# Altium PCB PCB1.PcbDoc
Units mil, origin at the board's own origin, x right, y up, seen from the top; angles counter-clockwise.
Board outline 3970 x 4000 mil, 2 copper layers (Top Layer, Bottom Layer); 10 components, 17 nets, 51 pads, 0 vias.
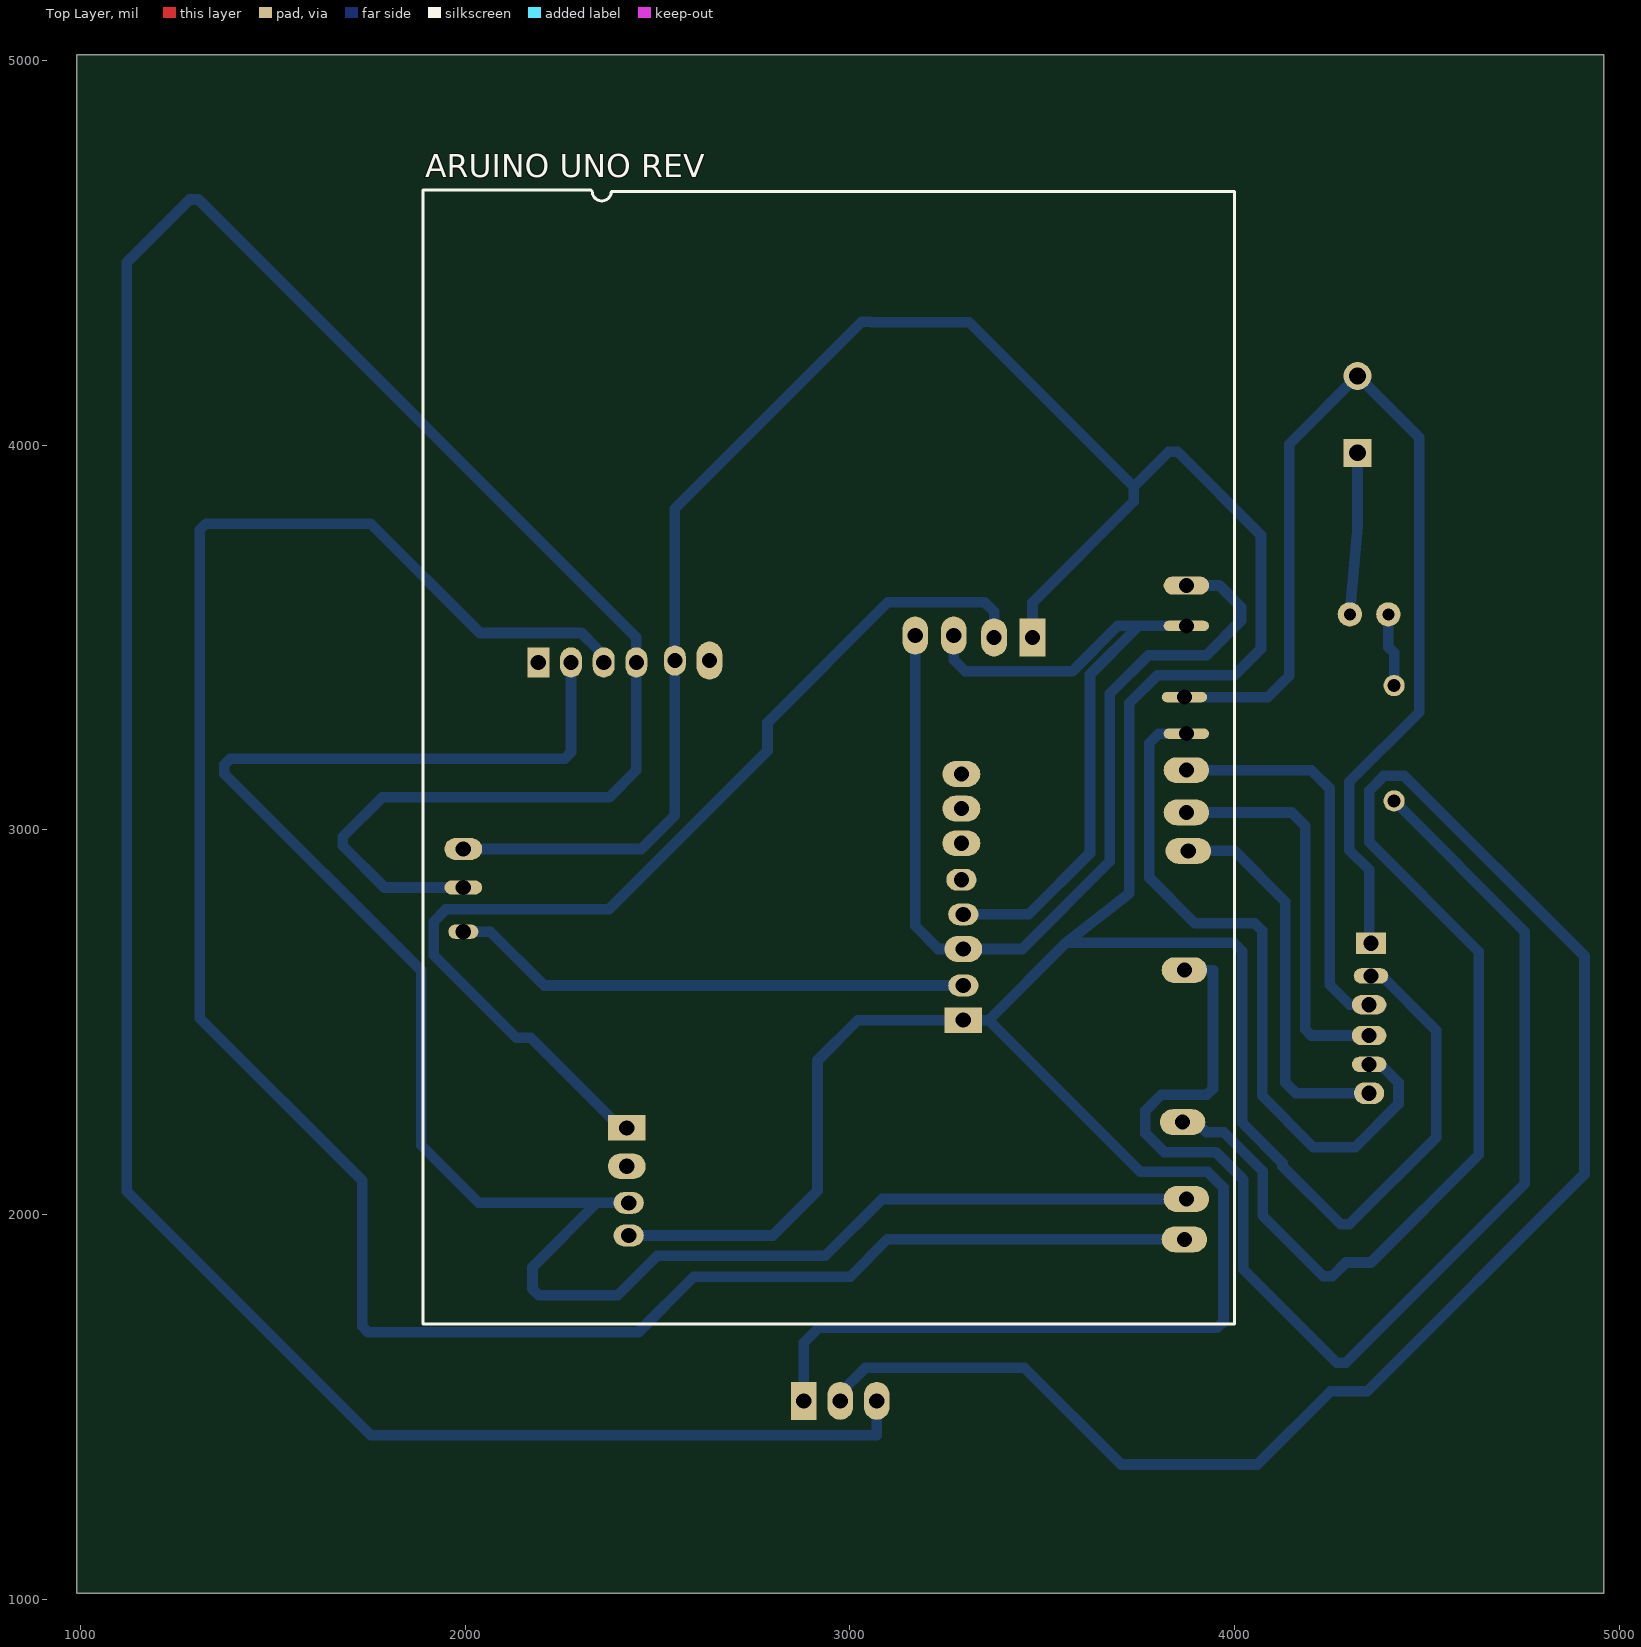
[diagram p0: Top Layer view]
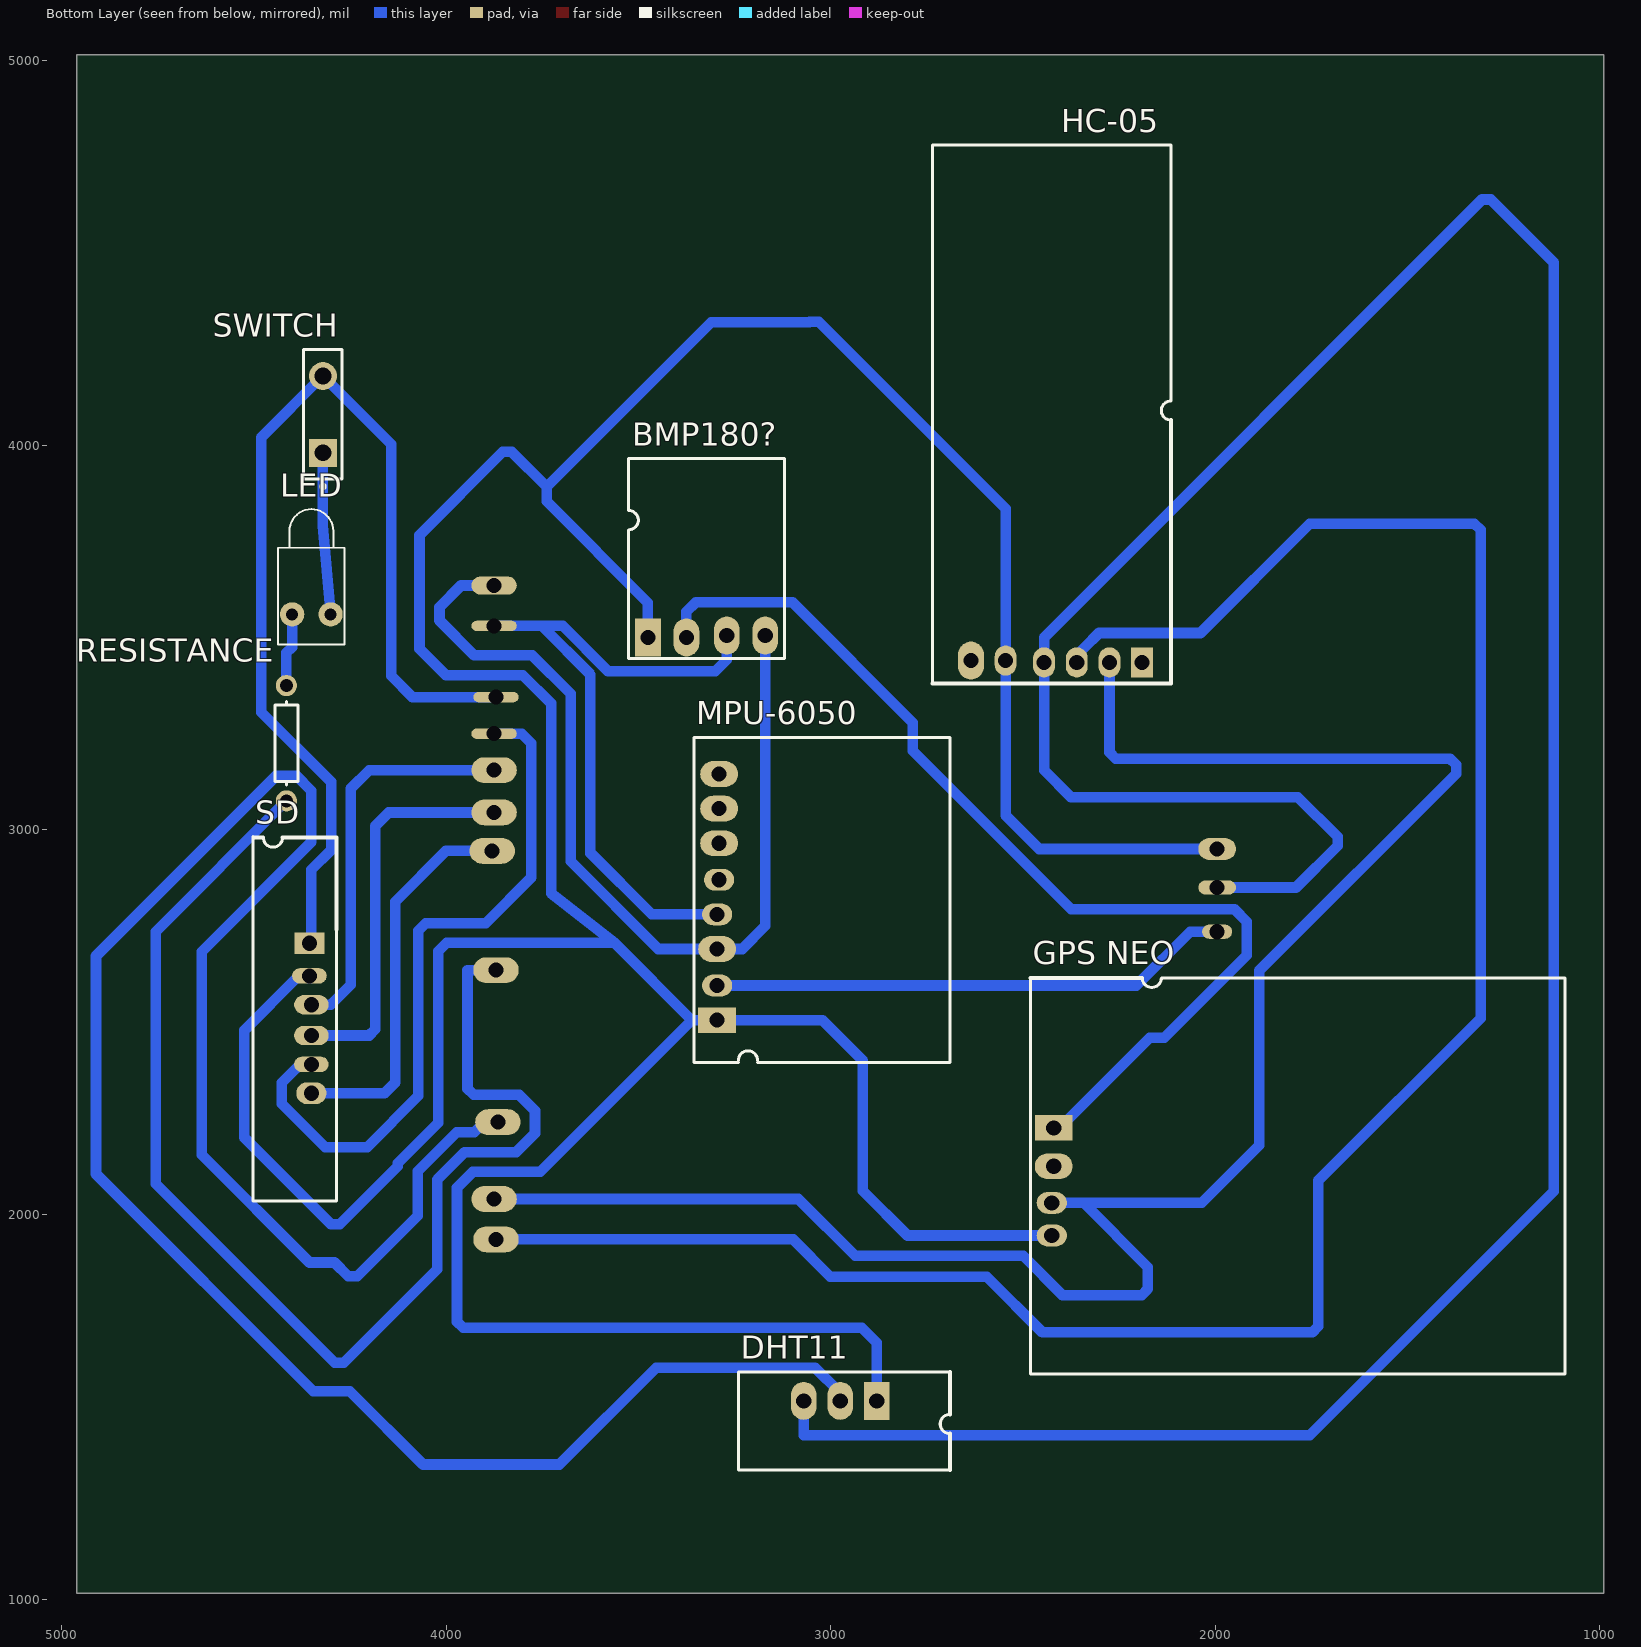
[diagram p1: Bottom Layer view, seen from below]
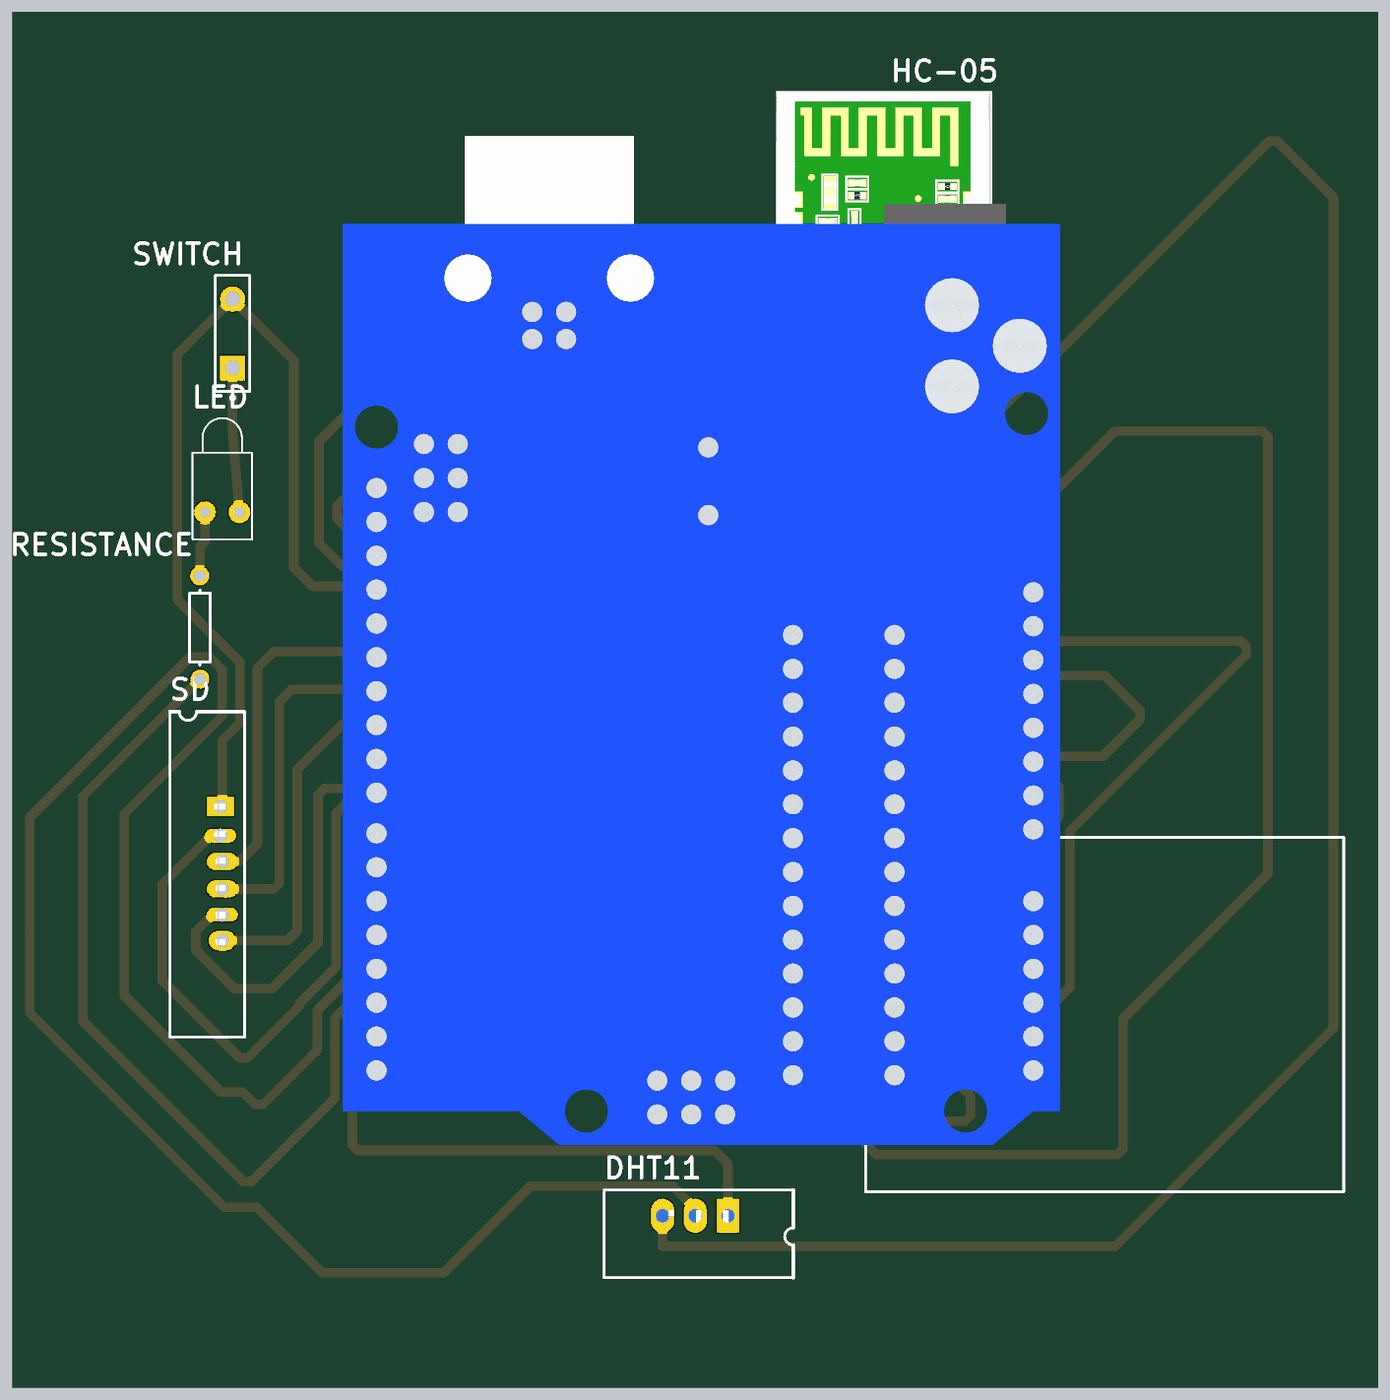
[diagram p2: 3D render of the assembled board from below, using the file's embedded part models]

## Layer stack, top to bottom
Top Solder: solder mask 0.4, Solder Resist, Dk 3.5
Top Layer: signal copper 1.4
Dielectric 1: dielectric 12.6, FR-4, Dk 4.8
Bottom Layer: signal copper 1.4
Bottom Solder: solder mask 0.4, Solder Resist, Dk 3.5

## Board outline
990,1015 4960,1015 4960,5015 990,5015

## Design rules (kind name [scope] priority, off if disabled: settings)
Clearance Clearance_3 [InNamedPolygon('GND_L02_P001')] p1: gap=27.56 ignorepadtopadclearanceinfootprint=FALSE
Clearance Clearance_2 [InNamedPolygon('NONET_L01_P001')] p2: gap=27.56 ignorepadtopadclearanceinfootprint=FALSE
Clearance Clearance_1 [InNamedPolygon('NONET_L01_P000')] p3: gap=27.56 ignorepadtopadclearanceinfootprint=FALSE
Clearance [All] p4: gap=23.62 ignorepadtopadclearanceinfootprint=FALSE
PolygonConnect [All] p1: connectstyle=Direct reliefconductorwidth=10 reliefentries=4 polygonreliefangle="90 Angle" airgapwidth=10
RoomDefinition Sheet1 [InComponentClass('Sheet1')] p1: confinementstyle=ConfineIn formatcopy=TRUE lockcomponents=FALSE outline 975,1005 4960,1005 4960,5005 975,5005
RoutingLayers [All] p1: top layer_v5=FALSE bottom layer_v5=TRUE
RoutingVias [All] p1: holewidth=28 width=50 viastyle="Through Hole" minholewidth=28 minwidth=50 maxholewidth=28 maxwidth=50
SolderMaskExpansion [All] p1: expansion=4 istentingtop=FALSE
Width [All] p1: maxlimit=30 minlimit=23.62 preferedwidth=27.56
29 further rules are at their usual default settings.

## Components (designator, comment, footprint, x,y, rotation, side; value= is the part's Value field where it differs from the comment)
"ARUINO UNO REV" "ARUINO UNO REV" "Arduino UNO Rev" 2035,3465 r0 top
BMP180? "BMP180" "BMP180 - duplicate" 3460,3505 r90 bottom
DHT11 "DHT11" "DHT11 - duplicate" 2880,1515 r270 bottom
"GPS NEO" "GPS NEO" "GPS NEO-6M - duplicate" 2430,2215 r180 bottom
HC-05 "HC-05" HC05 2195,3265 r270 bottom
LED "LED1" LED-1 4350,3560 r90 bottom
MPU-6050 "MPU-6050" "MPU-6050 - duplicate" 3290,2495 r0 bottom
RESISTANCE "Res1" AXIAL-0.3 4415,3225 r90 bottom value=1K
SD "SD Card Module" "SD Card Module" 4355,2720 r180 bottom
SWITCH "SW-PB" SPST-2 4320,4080 r90 bottom

## Footprints (in the part's own frame and the unit in brackets; to place one, negate y for a bottom-side part, rotate by r counter-clockwise, add the part's x,y. Pads: shape width x height; smd on the part's side, far side on the other; paste and mask are expansions set on the pad)
"Arduino UNO Rev" [mm]
  oval 2.492x1.446 hole 1: 5(-1.016,-13.081)
  oval 2.492x0.938 hole 1: 6(-1.016,-15.621)
  oval 1.984x0.938 hole 1: 7(-1.016,-18.542)
  oval 3x1.7 hole 1: 15(46.609,-38.862) 16(46.736,-36.195) 18(46.482,-31.115) 22(46.609,-21.082) 25(46.863,-13.208) 26(46.736,-10.668) 27(46.736,-7.874)
  oval 3x0.684 hole 1: 28(46.736,-5.461) 29(46.609,-3.048) 31(46.736,1.651)
  oval 3x1.192 hole 1: 32(46.736,4.318)
  silkscreen extent -3.68,-44.45 49.91,30.43, body extent -3.09,-44.3 49.91,30.2, height 0.92
AXIAL-0.3 [mm] "Axial Device, Thru-Hole; 2 Leads; 0.3 in Pin Spacing"
  round 1.4 hole 0.85: 1(-3.81,0) 2(3.81,0)
  silkscreen extent -2.77,-0.76 2.77,0.76
"BMP180 - duplicate" [mm]
  rect 2.5x1.7 hole 1: 1(-0.127,0.381)
  oval 2.5x1.7 hole 1: 2(-0.127,-2.159) 3(0,-4.826) 4(0,-7.366)
  silkscreen extent -1.52,-8.64 11.68,1.65, body extent -1.4,-8.54 11.59,1.68, height 8.61
"DHT11 - duplicate" [mm]
  rect 2.5x1.7 hole 1: 1(0,0)
  oval 2.5x1.7 hole 1: 2(0,-2.413) 3(0,-4.826)
  silkscreen extent -1.91,-9.14 4.57,4.83, body extent -1.91,-9.17 4.59,4.83, height 3.36
"GPS NEO-6M - duplicate" [mil]
  rect 98.43x66.93 hole 39.37: 1(10,10)
  oval 98.43x66.93 hole 39.37: 2(10,-90)
  oval 78.42x56.93 hole 39.37: 3(5,-185) 4(5,-270)
  silkscreen extent -50,-630 1340,400, body extent -55,-634 1345,404, height 0
HC05 [mil]
  rect 78.42x56.93 hole 39.37: 1(-170,5)
  oval 78.42x56.93 hole 39.37: 2(-170,-80) 3(-170,-165) 4(-170,-250) 5(-175,-350)
  oval 98.43x66.93 hole 39.37: 6(-175,-440)
  silkscreen extent -1515,-540 -115,80, body extent -1519,-545 -111,75, height 201
LED-1 [mm] "LED; 2 Leads"
  round 1.6 hole 0.8: 1(0,1.27) 2(0,-1.27)
  silkscreen extent -2,-2.2 6.95,2.2
"MPU-6050 - duplicate" [mm]
  rect 2.5x1.7 hole 1: 1(0.127,-0.254)
  oval 1.992x1.446 hole 1: 2(0.127,-2.54) 4(0.127,-7.239) 5(0,-9.525)
  oval 2.5x1.7 hole 1: 3(0.127,-4.953) 6(0,-11.938) 7(0,-14.224) 8(0,-16.51)
  silkscreen extent -15.24,-18.92 1.65,2.54, body extent -14.98,-19.05 1.52,2.45, height 3.26
"SD Card Module" [mil]
  rect 78.42x56.93 hole 39.37: 1(0,-15)
  oval 90x40 hole 39.37: 2(0,-100) 5(5,-330)
  oval 90x50 hole 39.37: 3(5,-175) 4(5,-255)
  oval 78.42x56.93 hole 39.37: 6(5,-405)
  silkscreen extent -147,-685 70,262, body extent -142,-685 15,260, height 1
SPST-2 [mm] "Switch; 2 Leads"
  rect 1.85x1.85 hole 1.1: 1(-2.54,0)
  round 1.85 hole 1.1: 2(2.54,0)
  silkscreen extent -4.89,-1.27 4.28,1.27

## Part data
LED: "Typical RED GaAs LED", LatestRevisionDate=08-Jul-2005, LatestRevisionNote="Mech Layer 1 removed.", PackageDescription="LED; 2 Leads", PackageReference=LED-1, Published=8-Jun-2000, Publisher="Altium Limited"
RESISTANCE: "Resistor", LatestRevisionDate=17-Jul-2002, LatestRevisionNote="Re-released for DXP Platform.", PackageDescription="Axial Device, Thru-Hole; 2 Leads; 0.3 in Pin Spacing", PackageReference=AXIAL-0.3, Published=8-Jun-2000, Publisher="Altium Limited"
SWITCH: "Switch", LatestRevisionDate=17-Jul-2002, LatestRevisionNote="Re-released for DXP Platform.", PackageDescription="Switch; 2 Leads", PackageReference=SPST-2, Published=24-Mar-1999, Publisher="Altium Limited"
"ARUINO UNO REV": Name="Arduino UNO"

## Nets (pads, with @x,y where several pads share a name; then routed paths per layer and width w, separated by ;. In a path a pad name is that pad's centre, name@x,y a point inside that pad or via, vN(x,y) a via of type N, cw(c..) or ccw(c..) an arc to the next point about the centre after c; other vN are vias at no path point)
5V: "ARUINO UNO REV.5" "GPS NEO.4" BMP180?.1 DHT11.1 HC-05.5 MPU-6050.1 SD.2 | length 11502.6
  Bottom Layer w27.56: 1995,2950 2458,2950 2545,3037 HC-05.5 2545,3835 3031.08,4321.08 3053.92,4321.08 3055,4320 3310,4320 3738.43,3891.57 ; 2425,1945 2800,1945 2916,2061 2916,2400 3021,2505 MPU-6050.1 3361,2505 ; DHT11.1 2880,1666 2919,1705 3955.31,1705 3971.46,1721.14 3971.46,1895.25 3971.46,2069.35 3929.94,2110.87 3755.13,2110.87 3361,2505 ; BMP180?.1 3475,3590.55 3738.43,3853.98 3738.43,3891.57 ; SD.2 4383.25,2620 4525,2478.25 4525,2200 4298.92,1973.92 4276.08,1973.92 4125,2125 4125,2132.95 4020,2237.95 4020,2684 3998.13,2705.87 3561.87,2705.87 ; 3361,2505 3561.87,2705.87 ; 3561.87,2705.87 3726.82,2835.41 3726.82,3328.91 3800,3402.09 4000,3402.09 4069,3471.09 4069,3766 3852.35,3982.65 3829.52,3982.65 3738.43,3891.57
GND: "GPS NEO.1" BMP180?.2 | length 2696.1
  Bottom Layer w27.56: 2420,2225 2404.25,2225 2169.93,2459.32 2132.64,2459.32 1918,2673.96 1918,2760.91 1950,2792.91 2373.91,2792.91 2786,3205 2786,3278.62 3099,3591.62 3350,3591.62 3375,3566.62 BMP180?.2
"GND 1": "ARUINO UNO REV.6" DHT11.3 HC-05.4 | length 8142.9
  Bottom Layer w27.56: 1995,2850 1790,2850 1681.42,2958.58 1681.42,2981.42 1785,3085 2375,3085 2445,3155 HC-05.4 2445,3500 1306.42,4638.58 1283.58,4638.58 1120,4475 1120,2060 1754,1426 3070,1426 DHT11.3
"GND 2": "ARUINO UNO REV.7" MPU-6050.2 | length 1358
  Bottom Layer w27.56: 1995,2735 2065,2735 2205,2595 MPU-6050.2
"GND 3": "ARUINO UNO REV.29" SD.1 SWITCH.2 | length 2788.1
  Bottom Layer w27.56: 3870,3345 4087,3345 4142,3400 4142,4002 SWITCH.2 4480,4020 4480,3306 4298.86,3124.86 4298.86,2946.97 4350,2895.83 4350,2719.68 4355,2714.68 SD.1
"NetARUINO UNO REV_15": "ARUINO UNO REV.15" HC-05.3 | length 5707.4
  Bottom Layer w27.56: HC-05.3 2360,3453.7 2340.87,3472.83 2340.87,3473.03 2302.28,3511.61 2038.39,3511.61 1754.2,3795.8 1326.14,3795.8 1310,3779.66 1310,2510 1731.92,2088.08 1731.92,1709.22 1748.06,1693.08 2449.16,1693.08 2594.08,1838 3000.67,1838 3097.67,1935 3870,1935
"NetARUINO UNO REV_18": "ARUINO UNO REV.18" DHT11.2 | length 5936.6
  Bottom Layer w27.56: DHT11.2 2975,1535.97 3040.65,1601.61 3453.39,1601.61 3705.35,1349.65 4059.65,1349.65 4250.23,1540.23 4345.19,1540.23 4910,2105.05 4910,2671.87 4441.91,3139.96 4388.09,3139.96 4350.04,3101.91 4350.04,2968.17 4635,2683.21 4635,2155 4355,1875 4290,1875 4253.92,1838.92 4231.08,1838.92 4073.82,1996.18 4073.82,2111.75 3972.34,2213.23 3926.42,2213.23 3899.65,2240 3865,2240
"NetARUINO UNO REV_22": "ARUINO UNO REV.22" RESISTANCE.1 | length 3339.3
  Bottom Layer w27.56: 3870,2635 3944.09,2635 3944.09,2327.01 3927.95,2310.87 3810.06,2310.87 3768.54,2269.35 3768.54,2210.65 3817.14,2162.05 3835.57,2162.05 3951.14,2162.05 4022.64,2090.55 4022.64,1857.36 4266.08,1613.92 4288.92,1613.92 4755,2080 4755,2735 RESISTANCE.1
"NetARUINO UNO REV_25": "ARUINO UNO REV.25" SD.6 | length 1006.3
  Bottom Layer w27.56: 3880,2945 4000,2945 4132,2813 4132,2343 4160,2315 SD.6
"NetARUINO UNO REV_26": "ARUINO UNO REV.26" SD.4 | length 1025
  Bottom Layer w27.56: 3875,3045 4148.82,3045 4183.91,3009.91 4183.91,2481.14 4200.05,2465 SD.4
"NetARUINO UNO REV_27": "ARUINO UNO REV.27" SD.3 | length 1026.4
  Bottom Layer w27.56: 3875,3155 4200,3155 4247.68,3107.32 4247.68,2597.32 4300,2545 SD.3
"NetARUINO UNO REV_28": "ARUINO UNO REV.28" SD.5 | length 1844.7
  Bottom Layer w27.56: 3875,3250 3803,3250 3778,3225 3778,2876 3896.95,2757.05 4052.77,2757.05 4071.91,2737.91 4071.91,2308.09 4205,2175 4313.9,2175 4426.61,2287.72 4426.61,2342.28 4388.03,2380.87 4387.5,2380.87 4378.37,2390 SD.5
NetLED_1: LED.1 RESISTANCE.2 | length 191.2
  Bottom Layer w27.56: LED.1 4400,3475 4415,3460 RESISTANCE.2
NetLED_2: LED.2 SWITCH.1 | length 420.9
  Bottom Layer w27.56: LED.2 4320,3790 SWITCH.1
SCL: "ARUINO UNO REV.32" BMP180?.4 MPU-6050.3 | length 2435.9
  Bottom Layer w27.56: BMP180?.4 3170,2750 3230,2690 MPU-6050.3 3447.83,2690 3675.64,2917.81 3675.64,3353.28 3775.63,3453.27 3926.27,3453.27 4017,3544 4017,3579 3961,3635 3875,3635
SDA: "ARUINO UNO REV.31" BMP180?.3 MPU-6050.4 | length 1767.7
  Bottom Layer w27.56: BMP180?.3 3270,3442 3300,3412 3578.73,3412 3696.73,3530 3750.91,3530 ; MPU-6050.4 3465,2780 3624.45,2939.45 3624.45,3403.55 3750.91,3530 ; 3875,3530 3750.91,3530
TX: "ARUINO UNO REV.16" "GPS NEO.3" HC-05.2 | length 5054.8
  Bottom Layer w27.56: HC-05.2 2275,3201.14 2258.86,3185 1389.7,3185 1373.55,3168.86 1373.55,3146.03 1885.57,2634.01 1885.57,2179.43 2035,2030 2342,2030 ; 2425,2030 2342,2030 ; 3875,2040 3084,2040 2936,1892 2499,1892 2397,1790 2191.14,1790 2175,1806.14 2175,1863 2342,2030
pads on no net: "GPS NEO.2" HC-05.1 HC-05.6 MPU-6050.5 MPU-6050.6 MPU-6050.7 MPU-6050.8

## Dimensions
980,5025 to 785,1010 on Top Layer
990,5015 to 4930,5245 on Top Layer